# Altium PCB ui_brd_raton_v0.PcbDoc (part 2 of 4) (continued)
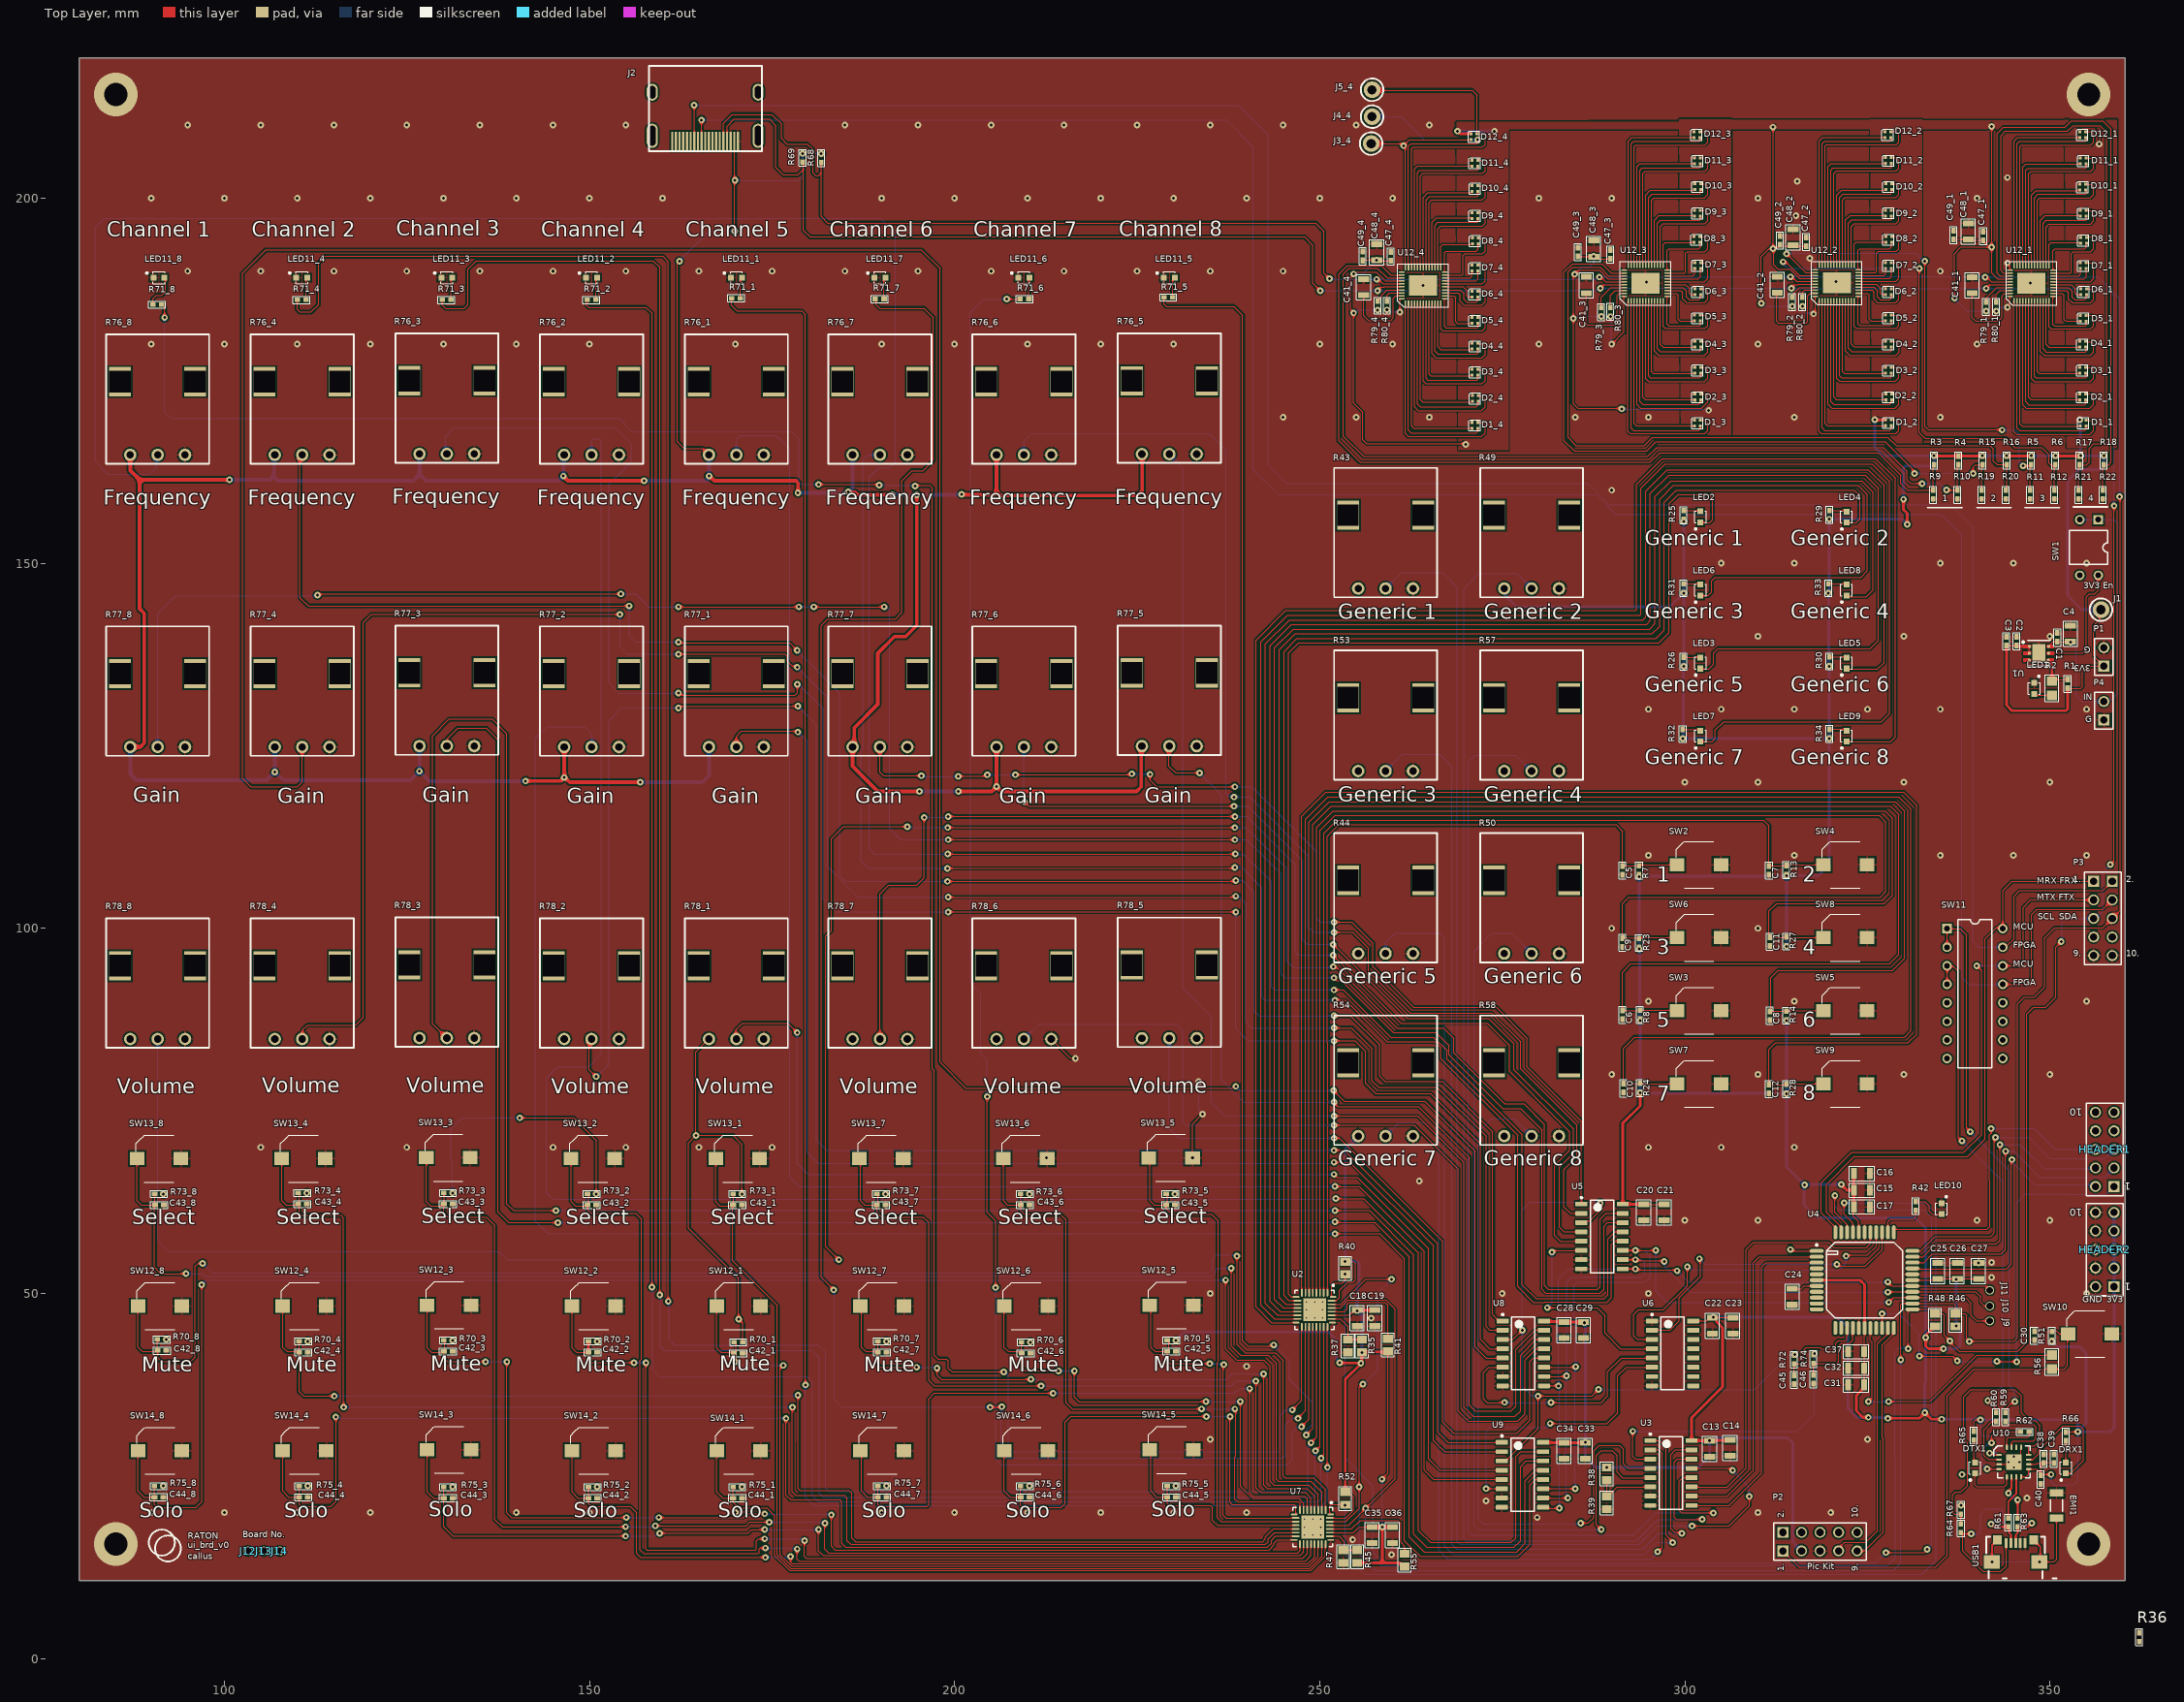
[diagram p0: Top Layer view]
## Nets (pads, with @x,y where several pads share a name; then routed paths per layer and width w, separated by ;. In a path a pad name is that pad's centre, name@x,y a point inside that pad or via, vN(x,y) a via of type N, cw(c..) or ccw(c..) an arc to the next point about the centre after c; other vN are vias at no path point) (continued)
  Bottom Layer w0.381: v1(230.308,43.561) 231.451,44.704 251.206,44.704 252.349,43.561 252.349,40.894 v1(252.73,40.513) ; R54.1@255.27,71.539 253.492,69.761 v1(253.492,54.356) 255.143,54.356 255.366,54.133 255.366,51.061 255.143,50.838 v1(255.143,47.625) 255.778,46.99 v1(255.778,41.91) ; v1(268.859,209.169) v1(273.939,209.169) ; R49.1@275.27,146.539 275.477,146.332 275.477,145.497 276.956,144.018 297.942,144.018 v1(299.847,145.923) ; v1(286.258,45.974) 286.385,45.847 v1(286.385,29.591) 286.385,27.559 287.782,26.162 v1(289.306,26.162) 301.879,26.162 303.403,27.686 v1(303.403,29.845) 303.784,30.226 314.071,30.226 314.781,29.516 314.781,15.927 P2.3@315.976,14.732 ; v1(299.847,155.702) v1(299.847,145.923) ; v1(303.911,46.736) 320.929,46.736 322.326,45.339 322.326,34.29 323.596,33.02 v1(325.12,33.02) 327.66,33.02 v1(327.787,32.893) ; v1(313.944,87.376) v1(313.944,77.343) ; v1(313.944,97.536) v1(313.944,107.188) ; v1(321.415,64.931) v1@316.323,64.931 ; v1(326.009,169.672) 326.009,165.862 327.152,164.719 v1(334.137,164.719) 334.137,163.545 333.914,163.322 330.2,163.322 329.946,163.068 v1(329.946,158.75) ; v1@330.454,155.321 329.749,156.026 v1(319.786,156.026) 319.786,146.05 v1(319.659,145.923) 319.722,145.859 319.722,135.953 v1(319.786,135.89) v1(319.786,125.984) ; v1(332.867,33.655) 332.867,37.718 333,37.85 v1@333,43.682 ; v1(332.994,43.942) 332.994,58.928 331.597,60.325 318.135,60.325 316.323,62.137 v1@316.323,64.931 ; v1(335.153,32.766) 340.413,32.766 v1(340.487,32.692) 353.568,32.692 353.822,32.438 v1(353.822,31.041) ; v1(335.407,42.418) 337.185,42.418 337.693,42.926 337.693,45.243 337.47,45.466 v1@337.185,45.466 ; v1(337.161,45.518) 337.173,45.53 337.173,51.931 v1(337.185,51.943) ; v1(340.741,164.719) v1(344.043,164.719) ; v1(347.472,164.719) v1(350.774,164.719) ; v1(350.266,43.434) 351.014,42.686 354.062,42.686 354.965,41.783 354.965,32.184 v1(353.822,31.041) ; v1(354.076,169.672) 354.139,169.608 354.139,164.782 v1(354.203,164.719) v1(357.378,164.719) 357.378,163.322 356.87,162.814 353.949,162.814 352.425,161.29 352.425,145.542 354.33,143.637 J1.1@356.997,143.637 ; HEADER2.9@358.775,61.087 HEADER2.7@358.775,58.547 HEADER2.5@358.775,56.007 HEADER2.3@358.775,53.467 HEADER2.1@358.775,50.927 358.775,31.623 358.193,31.041 v1(353.822,31.041) ; v1(299.847,145.923) v1(299.847,135.89) 299.784,135.826 299.784,126.047 v1(299.72,125.984) v1(319.786,125.984) ; v1(313.944,77.343) 313.88,77.406 293.941,77.406 v1(293.878,77.47) v1(293.878,87.376) 293.815,87.439 293.815,97.091 v1(293.751,97.155) v1(293.751,107.061) 293.815,107.124 313.88,107.124 v1(313.944,107.188) ; v1(313.944,77.343) 313.944,67.31 v1@316.323,64.931 ; v1(313.944,107.188) 318.262,107.188 319.786,108.712 v1(319.786,125.984)
  Bottom Layer w0.508: R77_8.1@87.122,124.836 87.122,121.158 88.011,120.269 105.791,120.269 v1(106.909,121.387) ; v1(100.711,161.417) 106.299,161.417 106.807,161.925 ; R77_4.1@106.909,124.836 v1(106.909,121.387) ; R76_4.1@106.909,164.836 106.807,164.734 106.807,161.925 ; R77_3.1@126.721,124.963 v1(126.721,121.514) ; R76_3.1@126.721,164.963 126.746,164.938 126.746,162.179 ; v1@141.224,120.142 128.093,120.142 v1(126.721,121.514) ; R76_2.1@146.533,164.836 146.431,164.734 v1(146.431,161.925) 145.796,161.29 127.635,161.29 126.746,162.179 ; v1(156.972,120.015) 165.481,120.015 166.37,120.904 R77_1.1@166.37,124.836 ; v1(157.48,161.29) 165.989,161.29 166.37,161.671 v1(166.37,161.925) R76_1.1@166.37,164.836 ; v1(178.562,159.639) 185.42,159.639 186.03,160.249 R76_7.1@186.03,164.836 ; v1(191.516,159.385) v1(194.818,159.385) 200.914,159.385 v1(200.977,159.448) ; v1(195.199,118.745) v1(200.533,118.745) ; 106.807,161.925 106.807,161.819 107.315,161.311 125.878,161.311 126.746,162.179 ; v1(106.909,121.387) 106.959,121.387 108.077,120.269 125.476,120.269 v1(126.721,121.514)
  other v1: 131.248,23.495 151.06,23.495 170.872,23.495 91.624,23.627 111.436,23.622 190.684,23.622 210.242,23.622 230.308,23.622 210.369,43.307 111.436,43.434 151.06,43.434 190.684,43.434 131.248,43.561 92.04,43.688 91.659,63.627 190.557,63.627 210.242,63.627 230.181,63.627 111.309,63.754 316.404,64.863 269.988,166.288 303.276,170.942
3V3_EN: SW1.4 U1.5 | length 16.7
  Top Layer w0.152: U1.5@349.809,137.668 354.457,137.668 354.965,138.176 354.965,145.415 355.346,145.796 356.108,145.796 356.616,146.304 SW1.4@356.616,148.336
A0_1: R3.1 R9.2 U12_4.38 | length 122
  Top Layer w0.152: U12_4.38@261.21,189.443 259.756,189.443 258.445,190.754 253.746,190.754 252.603,189.611 252.603,166.751 255.524,163.83 295.275,163.83 296.545,165.1 326.517,165.1 329.565,162.052 329.565,160.909 330.489,159.985 R9.2@334.01,159.985 334.01,163.357 R3.1@334.137,163.484
A0_2: R15.1 R19.2 U12_3.38 | length 97.1
  Top Layer w0.152: U12_3.38@291.684,189.76 289.919,189.76 288.671,191.008 284.607,191.008 283.464,189.865 283.464,166.751 284.861,165.354 294.767,165.354 296.037,166.624 327.406,166.624 331.47,162.56 v1(331.47,162.306) ; v1(339.471,162.306) 339.471,163.106 339.814,163.449 R15.1@340.742,163.449 ; R19.2@340.65,159.985 340.65,163.357 R15.1@340.742,163.449 ; R15.1@340.777,163.484 R15.1@340.742,163.449
  Bottom Layer w0.152: v1(331.47,162.306) v1(339.471,162.306)
A0_3: R5.1 R11.2 U12_2.38 | length 69.4
  Top Layer w0.152: v1(313.944,192.384) 316.549,189.779 U12_2.38@317.852,189.779 ; v1(332.867,191.389) 332.885,191.371 332.885,168.765 333.375,168.275 v1@343.408,168.275 ; v1(346.329,163.322) 347.256,163.322 R5.1@347.291,163.357 ; R11.2@347.291,159.985 R5.1@347.291,163.357 ; R5.1@347.418,163.484 R5.1@347.291,163.357
  Bottom Layer w0.152: v1(313.944,192.384) 314.008,192.449 331.61,192.449 332.669,191.389 v1(332.867,191.389) ; v1(343.434,168.239) 345.222,168.239 345.821,167.64 345.821,163.83 v1(346.329,163.322)
A0_4: R17.1 R21.2 U12_1.38 | length 87.1
  Top Layer w0.152: U12_1.38@344.522,189.741 343.659,189.741 343.281,190.119 343.281,208.534 343.916,209.169 352.425,209.169 353.187,209.931 356.87,209.931 357.759,209.042 357.759,167.132 356.997,166.37 355.981,166.37 355.346,165.735 355.346,163.83 354.965,163.449 354.093,163.449 R17.1@354.058,163.484 353.931,163.357 R21.2@353.931,159.985
A1_1: R4.1 R10.2 U12_4.39 | length 123.6
  Top Layer w0.152: U12_4.39@261.21,189.043 259.267,189.043 257.893,190.417 254.044,190.417 253.238,189.611 253.238,167.386 256.007,164.617 294.919,164.617 296.164,165.862 327.152,165.862 330.454,162.56 330.454,161.417 330.962,160.909 v1(332.486,160.909) ; v1@335.788,160.02 335.823,159.985 R10.2@337.33,159.985 337.33,163.357 R4.1@337.457,163.484
  Bottom Layer w0.152: v1(332.486,160.909) 334.899,160.909 335.764,160.044 v1(335.84,160.044)
A1_2: R16.1 R20.2 U12_3.39 | length 98.2
  Top Layer w0.152: U12_3.39@291.684,189.36 289.557,189.36 288.417,190.5 284.607,190.5 284.021,189.914 284.021,167.21 285.115,166.116 294.45,166.116 295.592,167.259 327.787,167.259 328.93,166.116 341.757,166.116 342.265,165.608 342.265,163.957 342.738,163.484 R16.1@344.097,163.484 344.097,160.112 R20.2@343.97,159.985
A1_3: R6.1 R12.2 U12_2.39 | length 71.4
  Top Layer w0.152: v1(313.436,191.262) 313.67,191.262 313.743,191.336 315.7,189.379 U12_2.39@317.852,189.379 ; v1(332.105,190.373) 332.105,167.894 332.867,167.132 343.916,167.132 345.186,165.862 348.869,165.862 349.885,164.846 349.885,163.703 350.266,163.322 350.576,163.322 350.611,163.357 R12.2@350.611,159.985
  Bottom Layer w0.152: v1(313.436,191.262) 313.436,191.008 313.51,190.934 314.071,190.373 v1(332.105,190.373)
A1_4: R18.1 R22.2 U12_1.39 | length 88.2
  Top Layer w0.152: U12_1.39@344.522,189.341 343.17,189.341 342.773,189.738 342.773,208.87 343.619,209.715 352.082,209.715 352.933,210.566 357.251,210.566 358.394,209.423 358.394,163.83 358.013,163.449 357.268,163.449 357.251,163.432 R22.2@357.251,159.985
AN_COM_1: R72.2 U5.3 U8.3 U9.3 | length 94.2
  Top Layer w0.152: U9.3@274.955,27.051 275.455,27.051 279.908,31.504 v1(279.908,35.941) 287.274,35.941 v1@288.163,36.83 ; U8.3@275.051,43.688 276.479,43.688 v1(277.749,44.958) ; U5.3@285.846,59.69 286.046,59.89 286.966,59.89 288.417,61.341 v1(288.417,62.357)
  Bottom Layer w0.152: v1(279.908,35.941) 279.019,35.941 277.749,37.211 v1(277.749,44.958) 277.749,61.468 278.765,62.484 288.29,62.484 v1(288.417,62.357) ; v1(288.174,36.835) 309.504,36.835 314.198,41.529 v1@314.96,41.529
  other v1: 315.059,41.633
AN_COM_2: R74.2 U3.3 | length 40.4
  Top Layer w0.152: v1@292.862,31.369 v1(292.862,31.115) 292.862,27.686 293.243,27.305 U3.3@295.275,27.305
  Bottom Layer w0.152: v1(292.862,31.115) 315.341,31.115 317.754,33.528 v1(317.754,41.783)
AN_SEL_A: J9.1 U4.25 U5.11 U8.11 U9.11 | length 112.1
  Top Layer w0.152: U9.11@280.605,23.241 v1(284.988,23.241) ; U8.11@280.701,39.878 284.988,39.878 v1(285.051,39.941) v1@285.115,40.005 ; U5.11@291.496,55.88 v1(293.243,55.88) v1(296.037,55.88) ; v1(327.914,48.768) 328.562,49.416 U4.25@331.162,49.416 338.442,49.416 339.217,48.641 339.217,46.99 339.979,46.228 J9.1@341.757,46.228
  Bottom Layer w0.152: v1(284.988,23.241) 284.988,39.878 v1(285.051,39.941) 285.051,45.503 284.797,45.758 284.797,51.117 285.242,51.562 294.64,51.562 295.275,52.197 295.275,55.118 294.513,55.88 v1(293.243,55.88) ; v1(296.037,55.88) 296.037,50.292 297.561,48.768 v1(327.914,48.768)
AN_SEL_B: J10.1 U4.26 U5.10 U8.10 U9.10 | length 104
  Top Layer w0.152: U9.10@280.605,21.971 v1(283.972,21.971) ; U8.10@280.701,38.608 v1@283.718,38.608 ; U5.10@291.496,54.61 v1(293.243,54.61) 293.37,54.483 297.053,54.483 v1(297.18,54.356) ; v1(327.787,50.165) 327.838,50.216 U4.26@331.162,50.216 339.801,50.216 340.487,49.53 340.487,48.768 340.995,48.26 J10.1@341.757,48.26
  Bottom Layer w0.152: v1(283.972,21.971) 283.781,22.162 v1(283.781,38.705) 283.845,38.769 283.845,51.562 284.48,52.197 294.132,52.197 294.513,52.578 294.513,54.229 294.132,54.61 v1(293.243,54.61) ; v1(297.18,54.356) 297.263,54.273 297.263,53.677 300.776,50.165 v1(327.787,50.165)
AN_SEL_C: J11.1 U4.27 U5.9 U8.9 U9.9 | length 98.3
  Top Layer w0.152: U9.9@280.605,20.701 280.732,20.574 v1(282.829,20.574) ; U8.9@280.701,37.338 v1(282.702,37.338) ; U5.9@291.496,53.34 v1(293.243,53.34) 293.37,53.213 298.831,53.213 v1(298.958,53.086) ; v1(327.787,51.562) 328.333,51.016 U4.27@331.162,51.016 341.16,51.016 J11.1@341.757,50.419
  Bottom Layer w0.152: v1(282.829,20.574) 282.829,37.211 v1(282.702,37.338) 282.702,51.943 284.099,53.34 v1(293.243,53.34) ; v1(298.958,53.086) 300.482,51.562 v1(327.787,51.562)
AN_SEL_D: U4.36 U6.2 | length 42.8
  Top Layer w0.152: U6.2@295.498,44.958 297.942,44.958 299.212,46.228 299.212,49.403 302.133,52.324 302.133,54.61 v1(302.006,54.737) ; v1@320.675,53.721 324.739,53.721 327.012,55.994 U4.36@327.012,58.366
  Bottom Layer w0.152: v1(302.006,54.737) 302.768,53.975 v1(320.802,53.975)
AN_SEL_E: U4.37 U6.3 | length 47
  Top Layer w0.152: U6.3@295.498,43.688 293.497,43.688 292.989,44.196 292.989,47.117 293.624,47.752 297.053,47.752 300.35,51.049 v1(300.35,53.623) ; v1@322.072,55.245 324.993,55.245 326.212,56.464 U4.37@326.212,58.366
  Bottom Layer w0.152: v1@300.355,53.594 300.481,53.594 300.881,53.195 321.125,53.195 322.072,54.142 v1(322.072,55.118)
AN_SEL_F: U3.11 U4.38 | length 58
  Top Layer w0.152: U3.11@300.925,23.495 305.816,23.495 308.356,26.035 308.356,56.007 309.372,57.023 319.659,57.023 320.421,56.261 324.866,56.261 325.412,56.807 U4.38@325.412,58.366
AN_SEL_G: U3.10 U4.2 | length 47.4
  Top Layer w0.152: U3.10@300.925,22.225 305.816,22.225 309.372,25.781 309.372,54.229 310.159,55.016 U4.2@318.062,55.016
AN_SEL_H: U3.9 U4.3 | length 47.4
  Top Layer w0.152: U3.9@300.925,20.955 306.07,20.955 310.515,25.4 310.515,53.594 311.137,54.216 U4.3@318.062,54.216
BLUE_1: R71_1.1 U2.24 | length 269.5
  Top Layer w0.152: R71_1.1@169.453,186.085 169.453,185.288 170.21,184.531 179.07,184.531 179.578,184.023 v1(179.578,37.465) ; v1(251.051,26.19) U2.24@251.051,45.427
  Bottom Layer w0.152: v1@179.451,37.592 v1(179.578,37.465) 179.578,22.098 180.721,20.955 250.317,20.955 251.051,21.689 v1(251.051,26.19)
BLUE_2: R71_2.1 U2.23 | length 287.1
  Top Layer w0.152: R71_2.1@149.641,186.085 149.641,185.288 149.89,185.039 157.734,185.039 158.559,184.213 v1(158.559,50.863) ; v1(250.19,27.432) 250.19,27.559 250.551,27.92 U2.23@250.551,45.427
  Bottom Layer w0.152: v1@158.496,50.927 v1(158.559,50.863) 158.623,50.8 158.623,39.497 159.512,38.608 179.832,38.608 180.467,37.973 180.467,22.352 181.346,21.473 249.819,21.473 250.19,21.844 v1(250.19,27.432)
BLUE_3: R71_3.1 U2.22 | length 316.9
  Top Layer w0.152: R71_3.1@129.829,186.085 129.829,185.385 130.302,184.912 132.842,184.912 133.35,185.42 133.35,190.246 134.493,191.389 158.75,191.389 159.635,190.504 v1(159.635,49.788) ; v1(249.428,28.448) 250.051,29.071 U2.22@250.051,45.427
  Bottom Layer w0.152: v1@159.639,49.784 159.695,49.728 159.695,42.743 160.274,42.164 180.467,42.164 181.483,41.148 181.483,22.606 181.991,22.098 249.047,22.098 249.41,22.461 249.41,28.43 v1(249.428,28.448)
BLUE_4: R71_4.1 U2.21 | length 336.6
  Top Layer w0.152: R71_4.1@109.982,186.055 109.982,184.785 110.363,184.404 111.887,184.404 112.903,185.42 112.903,191.135 113.792,192.024 160.02,192.024 160.782,191.262 v1(160.782,48.895) ; v1(248.793,29.527) 249.551,30.285 U2.21@249.551,45.427
  Bottom Layer w0.152: v1(160.782,48.895) 160.909,48.768 160.909,43.688 161.671,42.926 181.356,42.926 182.372,41.91 182.372,23.241 182.753,22.86 248.158,22.86 248.412,23.114 248.412,28.949 248.793,29.33 v1(248.793,29.527)
BLUE_5: R71_5.1 U2.20 | length 187.5
  Top Layer w0.152: R71_5.1@228.67,186.436 228.67,185.477 228.981,185.166 238.252,185.166 239.45,183.968 239.45,43.506 240.157,42.799 243.586,42.799 v1(243.713,42.926) ; v1(248.158,30.607) 249.051,31.5 U2.20@249.051,45.427
  Bottom Layer w0.152: v1(243.713,42.926) 245.872,40.767 245.872,38.227 249.047,35.052 249.047,32.105 248.227,31.286 248.227,30.676 v1(248.158,30.607)
BLUE_6: R71_6.1 U2.19 | length 226.7
  Top Layer w0.152: v1(204.47,76.962) 204.47,61.087 205.629,59.928 v1(205.629,50.811) ; v1(207.137,186.182) R71_6.1@208.985,186.182 ; v1(247.523,31.75) 248.551,32.778 U2.19@248.551,45.427
  Bottom Layer w0.152: v1(204.47,76.962) 204.47,81.915 203.581,82.804 203.581,91.059 202.184,92.456 202.184,184.404 203.962,186.182 v1(207.137,186.182) ; v1@205.613,50.673 205.631,50.655 205.631,34.094 205.613,34.076 205.613,27.305 206.375,26.543 245.618,26.543 246.253,27.178 246.253,30.988 246.942,31.677 247.45,31.677 v1(247.523,31.75)
BLUE_7: R71_7.1 U2.18 | length 259.7
  Top Layer w0.152: v1(183.451,50.482) 181.737,52.197 181.737,141.478 182.626,142.367 191.897,142.367 192.786,143.256 192.786,161.29 194.183,162.687 195.707,162.687 197.104,164.084 197.104,183.642 195.834,184.912 189.768,184.912 189.265,185.415 R71_7.1@189.265,186.212 ; v1(204.851,34.417) 206.397,34.417 v1(206.461,34.481) ; v1(247.015,32.893) 248.051,33.929 U2.18@248.051,45.427
  Bottom Layer w0.152: v1@183.388,50.546 v1(183.451,50.482) 183.515,50.419 183.515,35.433 184.531,34.417 v1(204.851,34.417) ; v1@206.502,34.544 206.375,34.417 206.375,27.94 206.883,27.432 244.983,27.432 245.364,27.813 245.364,32.004 246.253,32.893 v1(247.015,32.893)
BLUE_8: R71_8.1 U2.17 | length 324.8
  Top Layer w0.152: R71_8.1@91.405,185.42 91.48,185.42 91.821,185.079 v1(91.821,183.642) ; v1(181.356,160.782) 189.623,160.782 v1(189.701,160.704) ; v1@194.437,160.528 194.564,160.655 196.596,160.655 196.977,160.274 196.977,80.772 197.231,80.518 197.231,41.529 197.739,41.021 198.882,41.021 199.136,40.767 199.136,39.751 199.644,39.243 v1(206.756,39.243) ; v1(246.253,34.036) 247.551,35.334 U2.17@247.551,45.427
  Bottom Layer w0.152: v1(91.821,183.642) 91.821,170.688 92.71,169.799 154.051,169.799 155.829,168.021 177.673,168.021 178.689,167.005 178.689,161.036 178.943,160.782 v1(181.356,160.782) ; v1@189.865,160.655 194.471,160.655 v1(194.576,160.551) ; v1(206.756,39.243) 206.883,39.243 207.391,38.735 207.391,28.702 207.772,28.321 244.348,28.321 244.602,28.575 244.602,33.274 245.364,34.036 v1(246.253,34.036)
DGND: C1.2 C2.2 C3.2 C4.2 C5.2 C6.2 C7.2 C8.2 C9.2 C10.2 C11.2 C12.2 C13.2 C14.2 C15.2 C16.2 C17.2 C18.2 C19.2 C20.2 C21.2 C22.2 C23.2 C24.2 C25.2 C26.2 C27.2 C28.2 C29.2 C30.2 C31.2 C32.2 C33.2 C34.2 C35.2 C36.2 C37.2 C38.2 C39.2 C40.2 C41_1.2 C41_2.2 C41_3.2 C41_4.2 C42_1.2 C42_2.2 C42_3.2 C42_4.2 C42_5.2 C42_6.2 C42_7.2 C42_8.2 C43_1.2 C43_2.2 C43_3.2 C43_4.2 C43_5.2 C43_6.2 C43_7.2 C43_8.2 C44_1.2 C44_2.2 C44_3.2 C44_4.2 C44_5.2 C44_6.2 C44_7.2 C44_8.2 C45.2 C46.2 C47_1.2 C47_2.2 C47_3.2 C47_4.2 C48_1.2 C48_2.2 C48_3.2 C48_4.2 C49_1.2 C49_2.2 C49_3.2 C49_4.2 EMI1.2 HEADER2.2 HEADER2.4 HEADER2.6 HEADER2.8 HEADER2.10 J2.8 J2.17 J2.19 LED1.1 LED10.1 LED11_1.1 LED11_2.1 LED11_3.1 LED11_4.1 LED11_5.1 LED11_6.1 LED11_7.1 LED11_8.1 P1.2 P2.5 P3.9 P3.10 P4.1 R9.1 R10.1 R11.1 R12.1 R19.1 R20.1 R21.1 R22.1 R37.1 R39.1 R43.3 R44.3 R47.1 R49.3 R50.3 R53.3 R54.3 R57.3 R58.3 R67.1 R76_1.3 R76_2.3 R76_3.3 R76_4.3 R76_5.3 R76_6.3 R76_7.3 R76_8.3 R77_1.3 R77_2.3 R77_3.3 R77_4.3 R77_5.3 R77_6.3 R77_7.3 R77_8.3 R78_1.3 R78_2.3 R78_3.3 R78_4.3 R78_5.3 R78_6.3 R78_7.3 R78_8.3 R80_1.1 R80_2.1 R80_3.1 R80_4.1 SW2.2 SW3.2 SW4.2 SW5.2 SW6.2 SW7.2 SW8.2 SW9.2 SW10.2 SW12_1.2 SW12_2.2 SW12_3.2 SW12_4.2 SW12_5.2 SW12_6.2 SW12_7.2 SW12_8.2 SW13_1.2 SW13_2.2 SW13_3.2 SW13_4.2 SW13_5.2 SW13_6.2 SW13_7.2 SW13_8.2 SW14_1.2 SW14_2.2 SW14_3.2 SW14_4.2 SW14_5.2 SW14_6.2 SW14_7.2 SW14_8.2 U1.3 U1.7 U2.25 U2.33 U3.7 U3.8 U4.16 U4.29 U4.39 U5.7 U5.8 U6.1 U6.8 U7.25 U7.33 U8.7 U8.8 U9.7 U9.8 U10.3 U10.13 U10.17 U11.2 U12_1.37 U12_1.46 U12_1.47 U12_2.37 U12_2.46 U12_2.47 U12_3.37 U12_3.46 U12_3.47 U12_4.37 U12_4.46 U12_4.47 USB1.4 USB1.5 | length 44
  Top Layer w0.152: R78_6.3@213.24,84.836 215.856,82.22 216.484,82.22 v1(216.535,82.169) ; v1(232.591,68.562) 232.591,73.206 v1(233.934,74.549) ; v1(260.985,184.404) 260.985,186.219 261.009,186.243 U12_4.46@261.21,186.243 ; v1(290,180) 291.684,181.684 U12_3.46@291.684,186.56 ; v1(317.627,184.15) 317.852,184.375 U12_2.46@317.852,186.579 ; U10.3@343.041,26.581 343.991,26.581 v3(344.316,26.906) ; v1(344.17,185.039) 344.17,185.241 344.522,185.593 U12_1.46@344.522,186.541 ; v1(344.17,191.135) 344.17,190.933 344.522,190.581 U12_1.37@344.522,190.141 ; U10.17@345.066,26.906 346.041,27.881 U10.13@346.041,28.931
  Bottom Layer w0.152: v1(233.426,78.994) 233.426,75.057 v1(233.934,74.549) ; v1(259.207,184.693) 259.409,184.693 259.698,184.404 v1(260.985,184.404) ; v1(289.814,183.769) 289.907,183.676 289.907,180.093 v1(290,180) ; v1(316.103,185.201) 316.103,184.366 316.192,184.277 317.5,184.277 v1(317.627,184.15) ; v1(342.646,184.531) 343.154,185.039 v1(344.17,185.039)
  other v1: 259.842,14.224 254.508,16.256 279.781,19.304 90,20 100,20 110,20 120,20 140,20 150,20 170,20 190,20 200,20 210,20 220,20 230,20 240,20 260,20 310,20 320,20 337.82,20.973 272.796,21.59 346.837,21.971 235,30 325,30 240,40 257.048,46.609 235,50 275,50 295,50 355,50 342.011,52.197 340.233,54.186 342.011,54.229 300,60 310,60 340,60 350,60 263.652,65.405 212.55,68.58 105,70 125,70 145,70 155,70 165,70 175,70 295,70 305,70 315,70 290,80 310,80 330,80 350,80 295,90 315,90 355,90 290,100 310,100 295,110 315,110 335,110 345,110 355,110 300,120 310,120 330,120 350,120 295,130 305,130 315,130 325,130 335,130 355,130 310,140 330,140 350,140 305,150 315,150 335,150 345,150 355,150 290,160 245,170 255,170 265,170 285,170 295,170 315,170 335,170 90,180 100,180 110,180 120,180 130,180 140,180 150,180 170,180 190,180 200,180 210,180 220,180 230,180 250,180 260,180 280,180 310,180 340,180 264.16,188.043 347.345,188.341 294.761,188.487 320.675,188.595 95,190 105,190 115,190 125,190 135,190 145,190 155,190 165,190 175,190 185,190 195,190 205,190 215,190 225,190 235,190 245,190 335,190 317.119,191.77 315.214,197.612 90,200 100,200 110,200 120,200 130,200 140,200 150,200 160,200 190,200 200,200 210,200 220,200 230,200 240,200 250,200 260,200 280,200 290,200 310,200 340,200 315.392,202.323 344.17,202.819 95,210 105,210 115,210 125,210 135,210 145,210 155,210 185,210 195,210 205,210 215,210 225,210 235,210 245,210 255,210 265,210
  other v2: 247.947,16.891 249.047,16.891 250.147,16.891 247.947,17.991 250.147,17.991 247.947,19.091 249.047,19.091 250.147,19.091 248.201,46.652 249.301,46.652 250.401,46.652 248.201,47.752 250.401,47.752 248.201,48.852 249.301,48.852 250.401,48.852
  other v3: 345.066,26.156 345.816,26.906 345.066,27.656
  other v4: 85.137,15.668 355.299,15.668 85.137,214.202 355.299,214.202
EQ_Gain_1: R77_1.2 U9.2 | length 196.2
  Top Layer w0.152: R77_1.2@170.12,124.836 170.12,126.305 170.815,127 178.435,127 v1(178.562,126.873) ; v1(251.968,67.945) 254.127,67.945 265.557,56.515 265.557,29.845 267.081,28.321 U9.2@274.955,28.321
  Bottom Layer w0.152: v1(178.562,126.873) 179.832,125.603 179.832,69.342 181.356,67.818 251.841,67.818 v1(251.968,67.945)
EQ_Gain_2: R77_2.2 U9.12 | length 265.5
  Top Layer w0.152: v1(252.095,58.166) 258.191,58.166 261.62,54.737 261.62,16.129 263.779,13.97 277.114,13.97 278.765,15.621 278.765,23.725 279.551,24.511 U9.12@280.605,24.511
  Bottom Layer w0.152: R77_2.2@150.283,124.836 150.368,124.921 150.368,126.619 149.352,127.635 144.272,127.635 142.621,125.984 142.621,59.944 144.399,58.166 v1(252.095,58.166)
EQ_Gain_3: R77_3.2 U9.13 | length 268.5
  Top Layer w0.152: R77_3.2@130.471,124.963 130.556,125.048 130.556,125.984 131.953,127.381 135.89,127.381 137.448,125.823 137.448,61.18 138.938,59.69 v1(145.669,59.69) ; v1(252.095,59.817) 252.189,59.723 257.523,59.723 262.255,54.991 262.255,16.637 264.287,14.605 276.987,14.605 278.13,15.748 278.13,24.36 279.551,25.781 U9.13@280.605,25.781
  Bottom Layer w0.152: v1(145.669,59.69) 251.968,59.69 v1(252.095,59.817)
EQ_Gain_4: R77_4.2 U8.5 | length 399.2
  Top Layer w0.152: R77_4.2@110.659,124.836 110.659,120.057 109.982,119.38 103.632,119.38 102.489,120.523 102.489,189.738 105.664,192.913 195.453,192.913 197.993,190.373 197.993,81.661 201.549,78.105 238.05,78.105 238.304,78.359 v1(238.506,78.359) ; v1(251.907,77.785) 253.365,76.327 264.414,76.327 271.272,69.469 271.272,42.672 272.796,41.148 U8.5@275.051,41.148
  Bottom Layer w0.152: v1(238.506,78.359) 239.08,77.785 v1(251.907,77.785)
EQ_Gain_5: R77_5.2 U8.15 | length 142.6
  Top Layer w0.152: R77_5.2@229.404,124.945 229.362,124.903 229.362,122.174 230.251,121.285 v1(233.553,121.285) ; v1(251.968,76.2) 251.968,76.073 252.476,75.565 263.525,75.565 270.51,68.58 270.51,34.662 271.263,33.909 276.225,33.909 276.86,34.544 276.86,42.291 279.527,44.958 U8.15@280.701,44.958
  Bottom Layer w0.152: v1(233.553,121.285) 236.557,118.281 236.557,79.204 239.562,76.2 v1(251.968,76.2)
EQ_Gain_6: R77_6.2 U5.4 | length 127.2
  Top Layer w0.152: v1(209.55,117.348) 210.185,116.713 v1(238.252,116.713) ; v1(251.841,97.79) 262.001,87.63 273.177,87.63 276.606,84.201 276.606,80.645 284.734,72.517 284.734,69.215 282.829,67.31 282.829,59.055 283.464,58.42 U5.4@285.846,58.42
  Bottom Layer w0.152: R77_6.2@209.49,124.836 209.52,124.806 209.52,117.378 v1(209.55,117.348) ; v1(238.252,116.713) 240.157,116.713 247.65,109.22 247.65,98.425 248.285,97.79 v1(251.841,97.79)
EQ_Gain_7: R77_7.2 U5.1 | length 141.1
  Top Layer w0.152: R77_7.2@189.78,124.836 189.78,121.37 190.246,120.904 v1(195.453,120.904) ; v1(200.499,120.822) 204.261,120.822 v1(204.47,121.031) ; v1(208.323,121.031) 224.155,121.031 v1(224.282,121.158) v1@224.409,121.285 ; v1(226.758,121.094) 226.758,120.332 227.711,119.38 v1(238.379,119.38) ; v1(251.968,100.838) 254.381,100.838 257.302,97.917 257.302,94.742 262.89,89.154 274.193,89.154 278.384,84.963 278.384,81.026 285.846,73.564 U5.1@285.846,62.23
  Bottom Layer w0.152: v1(195.453,120.904) 195.58,120.777 v1@200.533,120.777 ; v1(204.47,121.031) v1(208.323,121.031) ; v1(224.282,121.158) 224.314,121.126 226.727,121.126 v1(226.758,121.094) ; v1(238.379,119.38) 240.665,119.38 249.555,110.49 249.555,101.346 250.063,100.838 v1(251.968,100.838)
EQ_Gain_8: R77_8.2 U5.14 | length 308.5
  Top Layer w0.152: v1@112.59,145.445 v1(112.765,145.62) 112.941,145.796 v1(154.305,145.796) ; v1@161.925,144.272 v1(162.179,144.018) v1(178.689,144.018) ; v1(180.721,144.018) v1(190.373,144.018) ; v1(199.136,112.141) v1(238.379,112.141) ; v1(251.968,93.218) 252.349,92.837 252.984,92.837 260.096,85.725 265.938,85.725 267.716,83.947 267.716,82.677 275.082,75.311 277.495,75.311 280.416,72.39 280.416,50.546 280.924,50.038 288.417,50.038 288.925,50.546 288.925,59.182 289.433,59.69 U5.14@291.496,59.69
  Bottom Layer w0.152: R77_8.2@90.872,124.836 90.872,143.069 93.345,145.542 112.687,145.542 v1(112.765,145.62) ; v1(154.305,145.796) 156.337,145.796 158.115,144.018 v1(162.179,144.018) ; v1(178.689,144.018) v1(180.721,144.018) ; v1@190.373,144.272 191.135,143.51 191.135,113.665 192.659,112.141 v1(199.136,112.141) ; v1(238.379,112.141) 240.03,112.141 244.729,107.442 244.729,93.726 245.237,93.218 v1(251.968,93.218)
FPGA_RX: J2.7 P3.2 SW11.15 | length 313.8
  Top Layer w0.152: v1(164.338,212.725) 164.344,212.719 164.344,207.789 J2.7@164.351,207.783 ; SW11.15@343.535,97.409 343.846,97.409 344.124,97.687 344.194,97.687 345.059,98.552 345.059,104.394 345.821,105.156 357.251,105.156 P3.2@358.521,106.426
  Bottom Layer w0.152: v1(164.338,212.725) 238.887,212.725 242.951,208.661 242.951,163.449 245.491,160.909 286.766,160.909 289.687,157.988 336.423,157.988 339.471,154.94 339.471,98.171 340.233,97.409 SW11.15@343.535,97.409
FPGA_TX: J2.9 P3.4 SW11.13 | length 316.5
  Top Layer w0.152: J2.9@165.351,207.783 165.352,207.785 165.352,210.691 v1(165.354,210.693) ; SW11.13@343.535,92.329 346.71,92.329 347.472,93.091 347.472,101.854 348.234,102.616 357.251,102.616 P3.4@358.521,103.886
  Bottom Layer w0.152: v1(165.354,210.693) 237.236,210.693 240.919,207.01 240.919,162.814 244.348,159.385 287.859,159.385 290.539,156.705 335.166,156.705 337.947,153.924 337.947,93.218 338.836,92.329 SW11.13@343.535,92.329
Frequency_1: R76_1.2 U9.5 | length 242.4
  Top Layer w0.152: v1(252.095,64.643) 255.397,64.643 264.287,55.753 264.287,25.781 265.557,24.511 U9.5@274.955,24.511
  Bottom Layer w0.152: R76_1.2@170.12,164.836 170.12,166.945 170.688,167.513 175.514,167.513 177.419,165.608 177.419,65.913 178.689,64.643 v1(252.095,64.643)